# Allegro board 1155001-Timing_board_V3_20241024_1805_pcb.brd (continued)
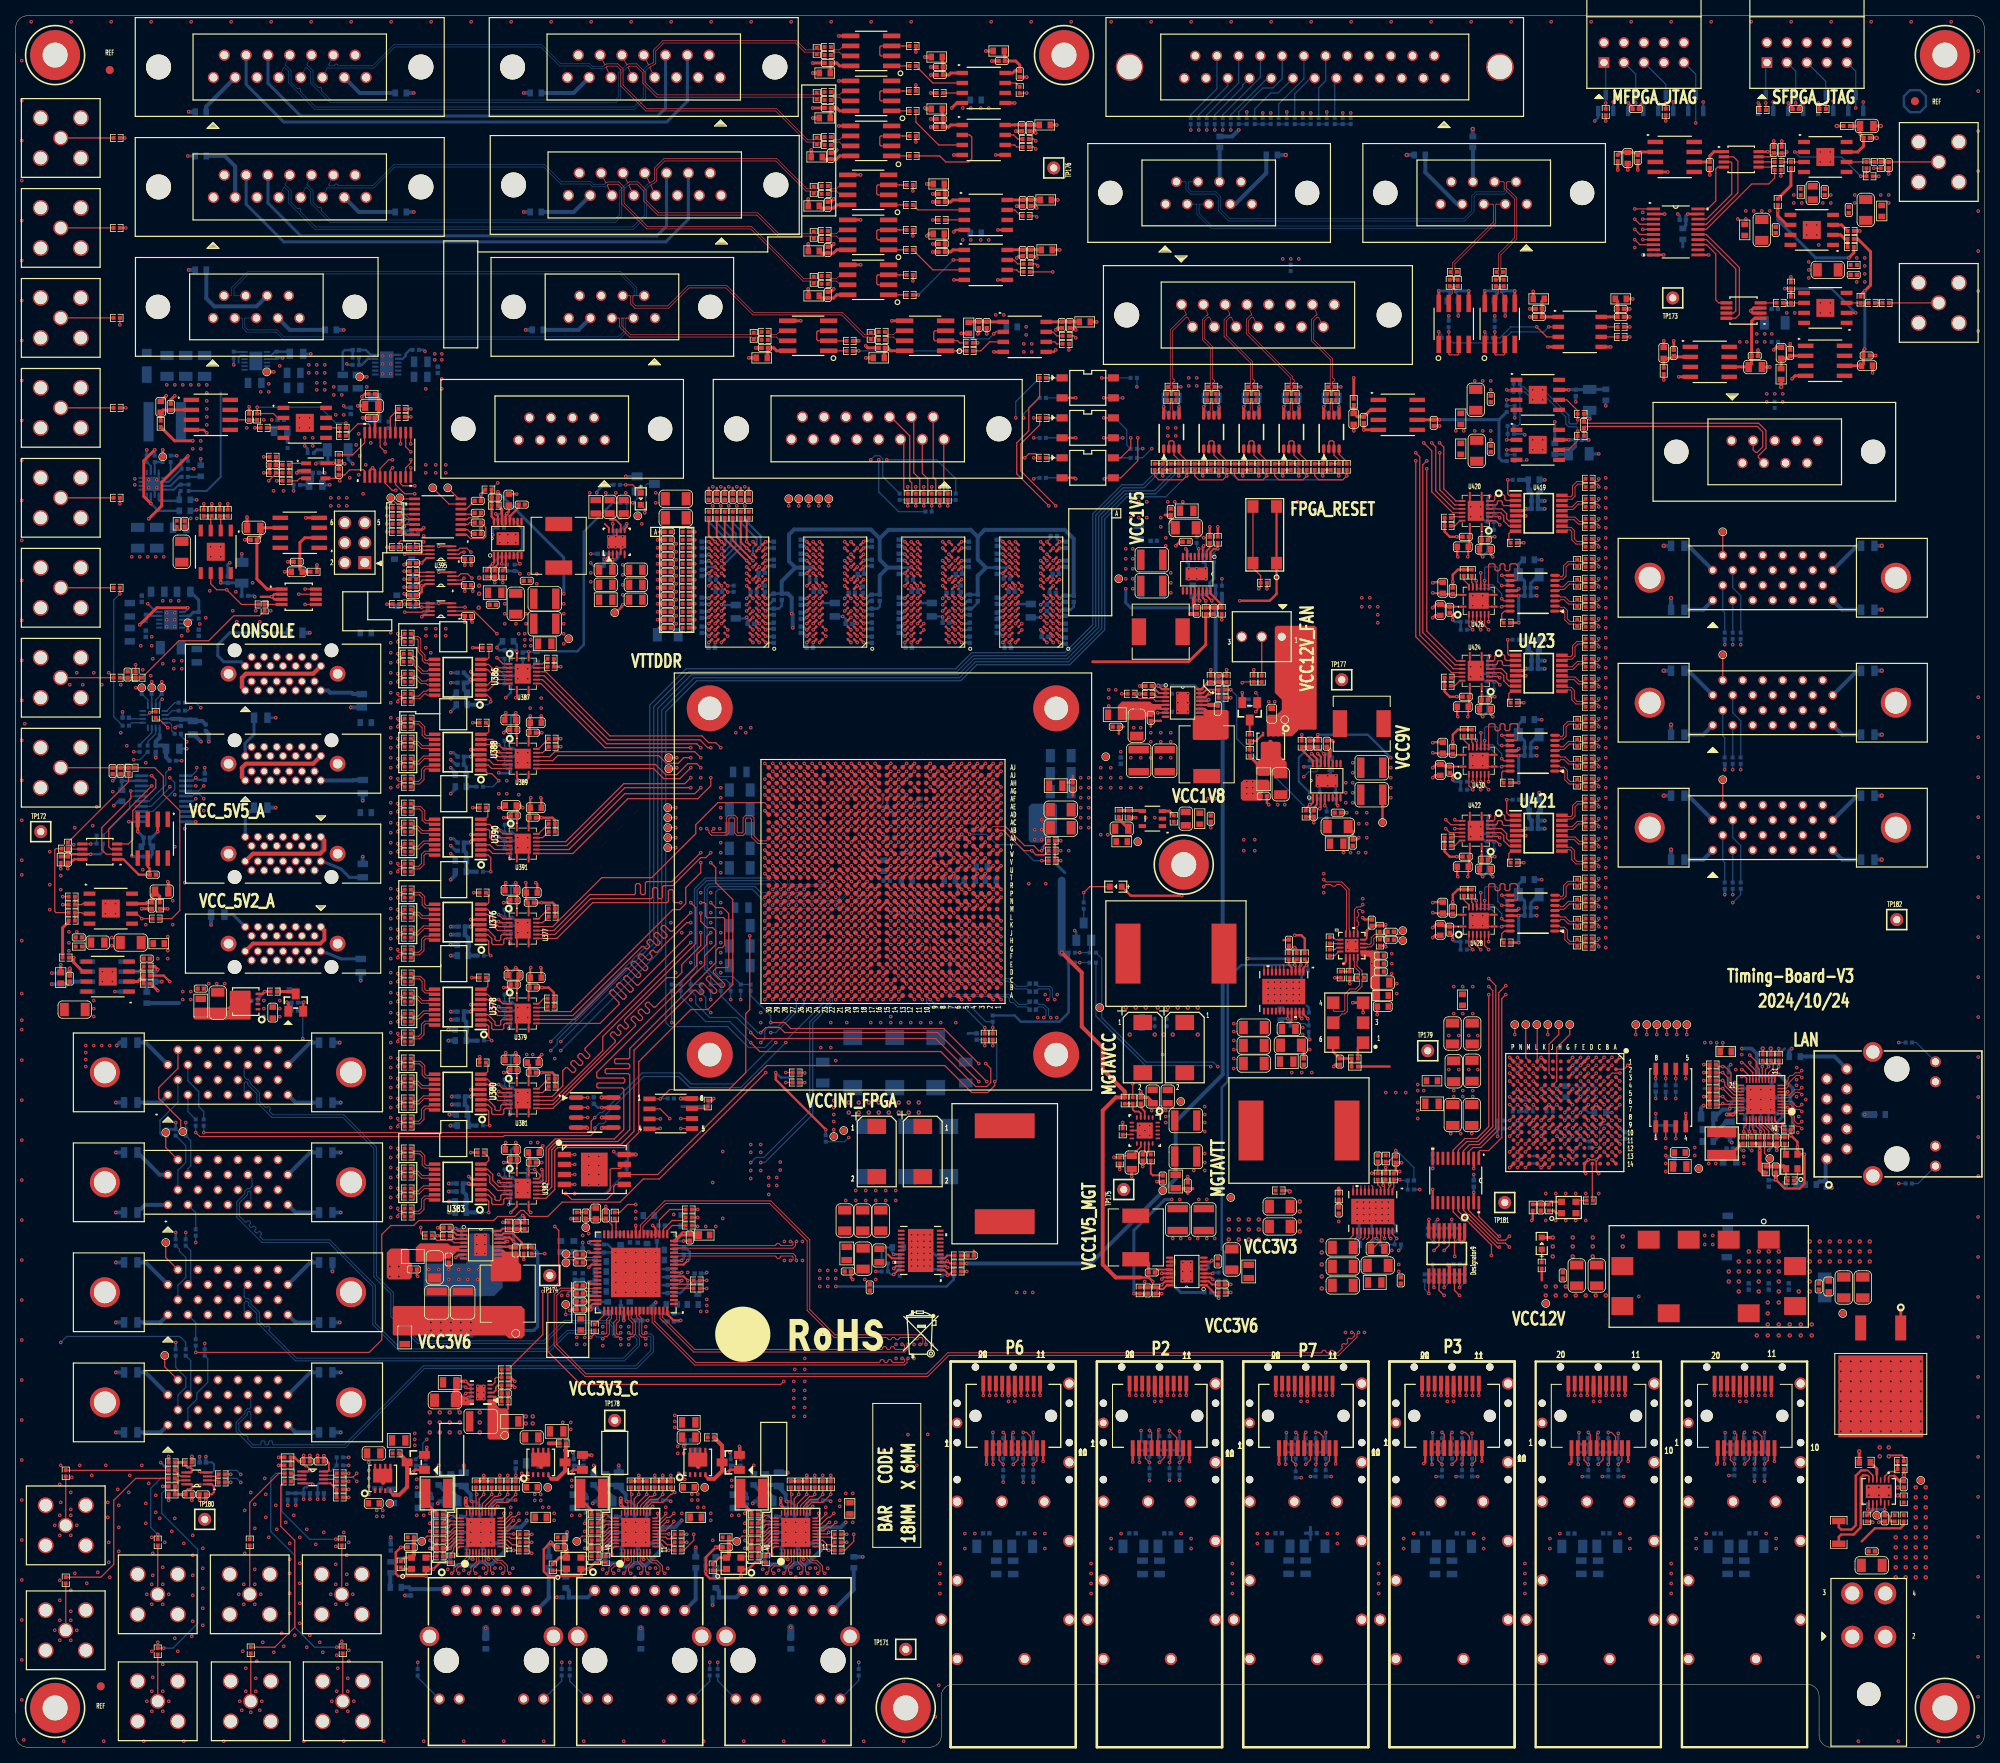
[diagram p0: board, top side]
## Design rules (mm) (continued)
net group FPGA_CONFIG_D3: nets FPGA_CONFIG_D3 FPGA_CONFIG_D3_R QSPI_MISO3
net group MG1: nets FPGA_1_ETH_TD_M_A FPGA_1_ETH_TD_M_B FPGA_1_ETH_TD_M_C FPGA_1_ETH_TD_M_D FPGA_1_ETH_TD_P_A FPGA_1_ETH_TD_P_B FPGA_1_ETH_TD_P_C FPGA_1_ETH_TD_P_D
net group MG_J74_U247: nets RF_FPS_TRIGGER_3_N RF_FPS_TRIGGER_3_P RF_MOD_IN_FIXED_3_N RF_MOD_IN_FIXED_3_P RF_MOD_IN_VARIABLE_3_N RF_MOD_IN_VARIABLE_3_P TIMING_SPI_CLK_3_N TIMING_SPI_CLK_3_P
net group MG_J77_U247: nets BPSI_DATA2_N BPSI_DATA2_P BPSI_DATA3_N BPSI_DATA3_P
net group MG_J80_U247: nets BPSR_DATA2_N BPSR_DATA2_P BPSR_DATA3_N BPSR_DATA3_P
net group MG_J81_U247: nets EDS_CC1_N EDS_CC1_P EDS_CC2_N EDS_CC2_P EDS_CC3_N EDS_CC3_P EDS_CC4_N EDS_CC4_P EDS_DATA0_N EDS_DATA0_P EDS_DATA1_N EDS_DATA1_P EDS_DATA2_N EDS_DATA2_P EDS_DATA3_N EDS_DATA3_P
net group N22239962: nets N22239962 N22240004 N22240010 N22240109
net group N23151152: nets N23151152 N23151216 N23151285
net group N23152362: nets N23152362 N23152374 N23152387
net group N23571460: nets N23571460 N23571522 N23571591
net group SAFETY_OUT1: nets N22761842 SAFETY_OUT1 SAFETY_OUT1+
net group SAFETY_OUT2: nets N22761847 SAFETY_OUT2 SAFETY_OUT2+
net group SAFETY_OUT3: nets N22761852 SAFETY_OUT3 SAFETY_OUT3+
net group TRIG_IO1: nets N22756428 N24995720 TRIG_IO1
net group TRIG_IO4: nets N22756100 N24999870 TRIG_IO4
net group VCC1V5_PG: nets N16718397 N20520738 N22225107 N22626918 N22804942 VCC1V5_PG
net group VCC1V8_PG: nets N16695258 N16716359 N22202663 VCC1V8_PG
net group VCCINT_FPGA_PG: nets N16728745 N22202247 VCCINT_FPGA_PG

## Placement (name value [footprint] x y rotation side)
C2  0.1UF  [C0402]  110.62 110.11 0 bottom
C13  0.1UF  [C0402]  82.79 144.27 180 bottom
C14  0.1UF  [C0402]  82.79 145.28 180 bottom
C15  0.1UF  [C0402]  82.79 146.3 180 bottom
C22  0.1UF  [C0402]  178.98 27.18 180 bottom
C23  0.1UF  [C0402]  183.42 27.18 0 bottom
C44  0.1UF  [C0402]  85.72 82.42 0 bottom
C72  0.1UF  [C0402]  146.27 27.18 0 bottom
C73  0.1UF  [C0402]  141.83 27.18 180 bottom
C78  22UF  [C1206]  146.4 25.53 0 bottom
C97  0.1UF  [C0402]  76.33 154.56 180 bottom
C99  22UF  [C1206]  141.95 25.53 180 bottom
C114  22UF  [C1206]  183.55 25.53 0 bottom
C115  22UF  [C1206]  179.1 25.53 180 bottom
C123  47UF  [C1206]  132.72 116.84 0 bottom
C140  0.1UF  [C0402]  183.01 61.34 180 bottom
C143  47UF  [C1206]  91.95 116.71 180 bottom
C144  4.7UF  [C0402_BGA]  120.14 96.5 0 bottom
C145  4.7UF  [C0402_BGA]  144.65 92.08 270 bottom
C146  4.7UF  [C0402_BGA]  123.14 102.5 180 bottom
C147  4.7UF  [C0402_BGA]  122.18 106.53 180 bottom
C148  4.7UF  [C0402_BGA]  118.64 112 90 bottom
C150  4.7UF  [C0402_BGA]  108.64 114 90 bottom
C151  4.7UF  [C0402_BGA]  107.14 108.5 180 bottom
C152  4.7UF  [C0402_BGA]  108.66 109.93 90 bottom
C153  4.7UF  [C0402_BGA]  111.64 106 270 bottom
C159  100UF  [C1206]  91.95 119.09 180 bottom
C160  100UF  [C1206]  132.72 123.7 0 bottom
C161  100UF  [C1206]  132.72 125.98 0 bottom
C162  100UF  [C1206]  132.72 121.41 0 bottom
C187  0.01UF  [C0402]  122.17 146.05 90 bottom
C217  68PF_DNP  [C0402]  122.05 90.3 90 bottom
C224  4.7UF  [C0805]  75.44 157.61 90 top
C250  10UF  [C0805]  116.33 144.53 270 bottom
C271  1000PF  [C0402]  74.3 151.64 180 bottom
C340  10UF  [C0805]  74.93 149.6 180 top
C341  10UF  [C0805]  74.93 147.7 180 top
C342  10UF  [C0805]  78.74 149.61 0 top
C343  10UF  [C0805]  78.74 145.8 0 top
C344  10UF  [C0805]  78.74 147.7 0 top
C399  47UF  [C1206]  132.72 119.13 0 bottom
C400  100UF  [C1206]  91.95 111.73 180 bottom
C401  100UF  [C1206]  91.95 121.63 180 bottom
C402  100UF  [C1206]  91.95 99.31 180 bottom
C418  47UF  [C1206]  132.72 116.84 0 top
C419  4.7UF  [C0402_BGA]  112.64 108 270 bottom
C420  4.7UF  [C0402_BGA]  114.64 112 270 bottom
C421  47UF  [C1206]  132.72 119.13 0 top
C422  4.7UF  [C0402_BGA]  112.58 112.02 270 bottom
C461  0.1UF  [C0402_BGA]  114.14 116.5 0 bottom
C462  0.1UF  [C0402_BGA]  120.14 118.49 0 bottom
C463  0.1UF  [C0402_BGA]  119.12 122.56 0 bottom
C490  0.1UF  [C0402_BGA]  108.63 121.94 90 bottom
C491  0.1UF  [C0402_BGA]  112.62 121.99 90 bottom
C492  0.1UF  [C0402_BGA]  111.15 119.5 180 bottom
C493  100UF  [C1206]  120.65 85.72 90 bottom
C494  100UF  [C1206]  102.49 85.72 90 bottom
C495  4.7UF  [C0402_BGA]  115.64 108 270 bottom
C496  4.7UF  [C0402_BGA]  114.64 108 270 bottom
C497  4.7UF  [C0402_BGA]  112.64 106 270 bottom
C498  4.7UF  [C0402_BGA]  108.64 112 90 bottom
C499  4.7UF  [C0402_BGA]  107.64 109.93 90 bottom
C500  4.7UF  [C0402_BGA]  107.19 107.49 180 bottom
C501  4.7UF  [C0402_BGA]  113.64 106 270 bottom
C502  4.7UF  [C0402_BGA]  107.64 114 90 bottom
C503  4.7UF  [C0402_BGA]  107.64 112 90 bottom
C504  4.7UF  [C0402_BGA]  114.64 106 270 bottom
C505  0.1UF  [C0402]  205.74 208.15 0 top
C506  4.7UF  [C0402]  112.14 149.48 270 bottom
C507  47nF  [C0402]  121.16 146.05 270 bottom
C508  0.1UF  [C0402_BGA]  106.64 122 270 bottom
C509  0.1UF  [C0402_BGA]  111.15 120.52 180 bottom
C510  0.1UF  [C0402_BGA]  123.64 124 270 bottom
C511  0.1UF  [C0402_BGA]  124.64 121 270 bottom
C512  0.1UF  [C0402_BGA]  118.64 119 270 bottom
C513  0.1UF  [C0402_BGA]  113.64 124 270 bottom
C514  0.1UF  [C0402_BGA]  109.6 119.97 270 bottom
C515  0.1UF  [C0402_BGA]  114.14 117.5 0 bottom
C516  0.1UF  [C0402_BGA]  116.63 122.93 90 bottom
C517  0.1UF  [C0402_BGA]  121.64 119.98 270 bottom
C518  0.1UF  [C0402_BGA]  116.59 114.99 270 bottom
C519  0.1UF  [C0402_BGA]  120.64 123 270 bottom
C520  0.01UF  [C0402]  120.02 147.19 90 bottom
C521  47UF  [C1206]  83.82 156.21 180 bottom
C522  4.7UF  [C0402]  82.79 148.33 180 bottom
C523  4.7UF  [C0402]  82.79 147.32 180 bottom
C524  0.1UF  [C0402]  82.79 152.4 180 top
C525  0.1UF  [C0402]  89.03 158.88 90 bottom
C526  0.1UF  [C0402]  90.04 158.88 90 bottom
C527  0.1UF  [C0402]  91.06 158.88 90 bottom
C528  47nF  [C0402]  118.62 146.69 180 bottom
C529  47nF  [C0402]  112.14 145.67 270 bottom
C530  47nF  [C0402]  121.16 140.72 90 bottom
C531  47nF  [C0402]  121.03 152.78 90 bottom
C532  47nF  [C0402]  112.14 153.03 90 bottom
C533  47nF  [C0402]  121.16 144.27 270 bottom
C534  47nF  [C0402]  112.14 143.76 90 bottom
C535  47nF  [C0402]  118.11 142.88 180 bottom
C536  47nF  [C0402]  121.16 142.49 90 bottom
C538  47nF  [C0402]  112.14 151.26 90 bottom
C539  47nF  [C0402]  121.03 150.37 270 bottom
C540  47nF  [C0402]  119.76 149.1 0 bottom
C541  47nF  [C0402]  112.14 141.99 270 bottom
C542  47nF  [C0402]  113.41 139.7 180 bottom
C543  47nF  [C0402]  114.17 146.81 180 bottom
C544  0.01UF  [C0402]  134.37 145.92 90 bottom
C545  0.01UF  [C0402]  133.35 145.92 270 bottom
C546  0.1UF  [C0402]  89.03 158.88 90 top
C547  0.1UF  [C0402]  90.04 158.88 90 top
C548  0.1UF  [C0402]  82.79 144.27 180 top
C549  47UF  [C1206]  83.82 158.62 180 top
C550  4.7UF  [C0402]  93.09 158.88 90 bottom
C551  4.7UF  [C0402]  93.09 158.88 90 top
C552  0.1UF  [C0402]  82.79 145.28 180 top
C553  0.1UF  [C0402]  82.79 146.3 180 top
C554  0.1UF  [C0402]  92.08 158.88 90 top
C555  0.1UF  [C0402]  82.79 147.32 180 top
C556  47nF  [C0402]  124.59 143.76 90 bottom
C557  47nF  [C0402]  130.94 144.78 270 bottom
C558  47nF  [C0402]  125.98 139.7 180 bottom
C559  47nF  [C0402]  126.49 146.81 180 bottom
C560  47nF  [C0402]  133.35 142.37 90 bottom
C561  47nF  [C0402]  133.35 144.15 270 bottom
C562  47nF  [C0402]  133.35 140.59 90 bottom
C563  4.7UF  [C0402]  124.59 149.48 270 bottom
C564  47nF  [C0402]  124.59 141.99 270 bottom
C565  47nF  [C0402]  132.08 149.1 0 bottom
C566  10UF  [C0805]  128.9 144.4 270 bottom
C567  47nF  [C0402]  124.59 153.03 90 bottom
C568  47nF  [C0402]  124.59 145.67 270 bottom
C569  47nF  [C0402]  124.59 151.26 90 bottom
C570  47nF  [C0402]  133.35 152.78 90 bottom
C571  47nF  [C0402]  130.68 141.1 180 bottom
C572  47nF  [C0402]  133.35 150.37 270 bottom
C573  47nF  [C0402]  131.7 146.69 180 bottom
C574  0.01UF  [C0402]  97.28 146.18 90 bottom
C575  0.01UF  [C0402]  87.12 149.22 270 bottom
C576  0.01UF  [C0402]  109.73 146.05 90 bottom
C577  0.01UF  [C0402]  107.57 147.07 90 bottom
C578  47nF  [C0402]  96.27 144.27 270 bottom
C579  47nF  [C0402]  93.34 142.75 180 bottom
C580  47nF  [C0402]  96.27 142.49 90 bottom
C581  47nF  [C0402]  89.28 146.81 180 bottom
C582  47nF  [C0402]  87.12 141.99 270 bottom
C583  47nF  [C0402]  87.12 143.89 90 bottom
C584  47nF  [C0402]  87.12 151 90 bottom
C585  4.7UF  [C0402]  95.12 147.19 90 bottom
C586  47nF  [C0402]  87.12 152.78 90 bottom
C587  47nF  [C0402]  88.39 139.7 180 bottom
C588  10UF  [C0805]  91.44 144.27 270 bottom
C589  47nF  [C0402]  96.27 150.5 270 bottom
C590  47nF  [C0402]  87.12 145.67 270 bottom
C591  47nF  [C0402]  96.27 152.78 90 bottom
C592  47nF  [C0402]  93.73 146.81 180 bottom
C593  47nF  [C0402]  94.74 149.22 0 bottom
C594  47nF  [C0402]  96.27 140.72 90 bottom
C595  47nF  [C0402]  96.27 146.18 270 bottom
C596  0.1UF  [C0402]  88.01 158.89 90 bottom
C597  0.1UF  [C0402]  91.06 158.88 90 top
C598  0.1UF  [C0402]  92.08 158.88 90 bottom
C599  47UF  [C1206]  82.8 141.35 180 bottom
C600  4.7UF  [C0402]  88.01 158.88 90 top
C601  4.7UF  [C0402]  82.79 142.24 180 top
C602  0.1UF  [C0402]  82.79 150.36 180 bottom
C603  0.1UF  [C0402]  82.79 143.25 180 top
C604  0.1UF  [C0402]  82.79 149.35 180 bottom
C605  0.1UF  [C0402]  82.79 154.43 180 top
C606  47nF  [C0402]  100.84 139.7 180 bottom
C607  47nF  [C0402]  108.71 142.49 90 bottom
C608  47nF  [C0402]  108.71 150.5 270 bottom
C609  47nF  [C0402]  99.69 151.26 90 bottom
C610  47nF  [C0402]  99.69 141.99 270 bottom
C611  47nF  [C0402]  108.71 144.27 270 bottom
C612  47nF  [C0402]  99.69 145.54 270 bottom
C613  4.7UF  [C0402]  108.71 146.05 270 bottom
C614  47nF  [C0402]  108.71 152.91 90 bottom
C615  47nF  [C0402]  99.69 143.76 90 bottom
C616  10UF  [C0805]  104.01 144.53 270 bottom
C617  47nF  [C0402]  105.79 142.75 180 bottom
C618  47nF  [C0402]  106.17 146.69 180 bottom
C619  47nF  [C0402]  99.69 153.03 90 bottom
C620  47nF  [C0402]  101.73 146.81 180 bottom
C621  47nF  [C0402]  107.31 149.1 0 bottom
C622  47nF  [C0402]  108.71 140.72 90 bottom
C623  47nF  [C0402]  99.69 149.48 270 bottom
C624  0.1UF  [C0402]  82.79 151.38 180 bottom
C625  0.1UF  [C0402]  82.79 152.4 180 bottom
C626  0.1UF  [C0402]  82.8 153.42 180 bottom
C627  47UF  [C1206]  83.82 156.21 180 top
C628  4.7UF  [C0402]  82.79 149.35 180 top
C629  4.7UF  [C0402]  82.79 148.33 180 top
C630  0.1UF  [C0402]  82.8 153.42 180 top
C631  0.1UF  [C0402]  82.78 143.27 180 bottom
C632  0.1UF  [C0402]  82.79 151.38 180 top
C633  0.1UF  [C0402]  82.79 150.37 180 top
C636  100UF  [C1206]  91.95 101.8 180 bottom
C638  100UF  [C1206]  91.95 104.39 180 bottom
C639  100UF  [C1206]  91.95 114.22 180 bottom
C640  4.7UF  [C0805]  77.21 157.61 90 top
C641  0.1UF  [C0402]  77.34 75.31 180 bottom
C642  0.01UF  [C0402]  73.41 82.17 270 bottom
C751  100UF  [C1206]  182.5 80.33 270 top
C753  4.7UF  [C0402_BGA]  198.22 83.64 90 bottom
C754  4.7UF  [C0402_BGA]  199.22 83.64 90 bottom
C757  0.47UF  [C0402_BGA]  200.22 83.64 90 bottom
C758  0.47UF  [C0402_BGA]  195.22 83.67 90 bottom
C759  0.47UF  [C0402_BGA]  194.22 83.64 90 bottom
C766  47UF  [C1206]  184.91 80.33 270 top
C767  4.7UF  [C0402_BGA]  200.22 78.64 90 bottom
C768  0.47UF  [C0402_BGA]  197.23 77.65 270 bottom
C770  47UF  [C1206]  184.97 90.68 270 top
C771  4.7UF  [C0402_BGA]  190.22 86.64 270 bottom
C773  0.47UF  [C0402_BGA]  198.22 86.64 270 bottom
C774  0.47UF  [C0402_BGA]  193.22 86.64 90 bottom
C777  47UF  [C1206]  182.62 85.89 90 top
C778  4.7UF  [C0402_BGA]  197.22 75.64 90 bottom
C779  4.7UF  [C0402_BGA]  194.22 74.65 270 bottom
C780  0.47UF  [C0402_BGA]  198.22 75.64 90 bottom
C781  0.47UF  [C0402_BGA]  191.23 78.65 270 bottom
C782  0.47UF  [C0402_BGA]  191.22 82.65 90 bottom
C783  0.47UF  [C0402_BGA]  191.26 74.67 90 bottom
C784  47UF  [C1206]  184.94 85.95 90 top
C785  4.7UF  [C0402_BGA]  192.23 74.65 270 bottom
C786  4.7UF  [C0402_BGA]  190.24 82.65 90 bottom
C787  0.47UF  [C0402_BGA]  193.25 74.65 270 bottom
C788  0.47UF  [C0402_BGA]  190.24 74.67 90 bottom
C789  0.47UF  [C0402_BGA]  190.25 78.67 270 bottom
C790  0.47UF  [C0402_BGA]  192.22 82.65 90 bottom
C791  47UF  [C1206]  182.47 90.68 270 top
C792  4.7UF  [C0402_BGA]  198.22 77.64 90 bottom
C793  4.7UF  [C0402_BGA]  196.22 77.65 90 bottom
C794  0.47UF  [C0402_BGA]  194.22 86.64 90 bottom
C795  0.47UF  [C0402_BGA]  194.22 77.65 90 bottom
C796  0.47UF  [C0402_BGA]  193.22 77.65 270 bottom
C797  0.47UF  [C0402_BGA]  191.22 86.64 270 bottom
C798  0.1UF  [C0402]  208.28 83.69 270 bottom
C799  0.1UF  [C0402]  226.06 208.15 0 top
C800  0.1UF  [C0402]  193.68 68.58 270 top
C815  0.1UF_DNP  [C0402_BGA]  199.22 81.64 90 bottom
C838  1000PF  [C0402]  229.87 71.5 90 bottom
C839  0.1UF  [C0402]  223.52 73.41 270 top
C841  10UF  [C0805]  217.17 88.39 180 bottom
C842  0.1UF  [C0402]  223.01 84.84 270 bottom
C846  10UF  [C0805]  214.88 80.14 180 bottom
C847  0.1UF  [C0402]  218.95 82.17 0 bottom
C849  0.1UF  [C0402]  218.95 81.15 0 bottom
C850  10UF  [C0805]  217.68 78.61 270 bottom
C851  0.1UF  [C0402]  224.66 77.98 270 bottom
C852  0.1UF  [C0402]  222.63 79.38 90 bottom
C853  0.1UF  [C0402]  224.03 82.55 180 bottom
C854  0.1UF  [C0402]  224.03 80.52 180 bottom
C855  0.1UF  [C0402]  218.95 83.69 0 bottom
C859  10UF  [C0805]  217.68 74.55 0 bottom
C864  0.1UF  [C0402]  217.68 76.07 0 bottom
C865  10PF  [C0402]  223.65 77.09 270 top
C866  0.1UF  [C0402]  222.63 71.63 90 bottom
C881  0.1UF  [C0402]  17.78 126.87 270 bottom
C882  10UF  [C0805]  19.94 126.87 0 bottom
C883  0.1UF  [C0402]  20.95 130.18 270 bottom
C884  10UF  [C0805]  22.48 129.54 270 bottom
C885  0.1UF  [C0402]  13.97 130.81 180 bottom
C930  0.1UF  [C0402]  168.15 87.12 90 top
C932  0.1UF  [C0402]  173.35 100.58 180 top
C933  10UF  [C0805]  173.61 97.16 0 top
C934  0.1UF  [C0402]  173.35 99.57 180 top
C935  0.1UF  [C0402]  173.35 98.55 180 top
C936  1UF  [C0603]  173.61 94.11 180 top
C938  0.1UF  [C0402]  172.21 104.78 270 top
C939  0.1UF  [C0402]  174.63 103.62 180 top
C940  0.1UF  [C0402]  174.63 102.6 180 top
C941  0.1UF  [C0402_BGA]  97.64 111 270 bottom
C942  0.1UF  [C0402_BGA]  98.64 111 270 bottom
C967  0.01UF  [C0402]  129.16 94.74 0 bottom
C968  0.01UF  [C0402]  129.16 93.73 0 bottom
C989  0.01UF  [C0402]  129.16 97.03 0 bottom
C990  0.01UF  [C0402]  129.16 96.01 0 bottom
C993  0.1UF  [C0402]  71.63 58.67 180 top
C994  0.1UF  [C0402]  71.63 57.66 180 top
C995  4.7UF  [C0402]  83.19 58.72 0 bottom
C996  4.7UF  [C0402]  83.19 57.71 0 bottom
C997  1UF  [C0603]  83.06 63.17 0 bottom
C999  4.7UF  [C0402]  83.19 59.74 0 bottom
C1000  0.1UF  [C0402]  84.84 62.99 270 bottom
C1001  1UF  [C0603]  74.29 57.91 0 bottom
C1002  1UF  [C0603]  74.29 59.18 0 bottom
C1003  2.2UF_DNP  [C0402]  72.39 67.56 270 top
C1004  1UF  [C0603]  73.66 67.82 90 top
C1005  4.7NF  [C0402]  74.93 67.56 270 top
C1006  100PF_DNP  [C0402]  70.99 57.02 90 bottom
C1007  160PF  [C0402]  71.63 56.64 0 top
C1008  4.7NF  [C0402]  72.01 57.02 270 bottom
C1009  0.1UF  [C0402]  83.19 60.76 0 bottom
C1010  1UF  [C0603]  83.06 61.9 180 bottom
C1011  1000PF  [C0402]  86.61 60.2 0 bottom
C1012  0.1UF  [C0402]  83.77 64.72 90 bottom
C1013  1UF  [C0603]  84.58 66.93 90 bottom
C1014  1000PF  [C0402]  85.6 64.77 270 top
C1015  0.1UF  [C0402]  81.43 64.69 90 bottom
C1016  1UF  [C0603]  80.16 64.69 270 bottom
C1017  1000PF  [C0402]  82.04 66.29 0 bottom
C1018  0.1UF  [C0402]  78 64.54 90 bottom
C1019  1UF  [C0603]  76.81 64.54 270 bottom
C1020  1000PF  [C0402]  78.99 64.52 270 bottom
C1021  0.1UF  [C0402]  72.01 62.99 270 bottom
C1022  1UF  [C0603]  74.29 61.72 0 bottom
C1023  1000PF  [C0402]  74.3 62.87 0 bottom
C1024  0.1UF  [C0402]  70.99 59.82 90 bottom
C1025  1UF  [C0603]  74.29 60.45 0 bottom
C1026  1000PF  [C0402]  72.01 59.82 270 bottom
C1027  0.1UF  [C0402]  73.79 56.26 270 bottom
C1028  1UF  [C0603]  75.18 55.88 90 bottom
C1029  1000PF  [C0402]  71.63 55.63 180 top
C1030  0.1UF  [C0402]  79.12 54.23 180 bottom
C1031  1UF  [C0603]  77.98 55.88 90 bottom
C1032  1000PF  [C0402]  76.83 55.63 90 bottom
C1033  0.1UF  [C0402]  83.19 55.12 0 bottom
C1034  1UF  [C0603]  83.31 56.26 180 bottom
C1035  1000PF  [C0402]  83.19 54.1 180 bottom
C1134  10UF  [C1206]  232.16 58.42 90 bottom
C1135  0.1UF  [C0402]  196.47 59.94 270 top
C1136  0.1UF  [C0402]  222.63 58.55 270 bottom
C1137  10UF  [C1206]  200.79 59.94 90 top
C1138  10UF  [C1206]  198.25 59.94 90 top
C1139  10UF  [C1206]  234.57 58.42 90 bottom
C1140  1000PF  [C0402]  220.09 58.55 90 bottom
C1142  10UF  [C1206]  234.57 58.42 90 top
C1144  1UF  [C0603]  230.25 58.55 90 top
C1145  0.1UF  [C0402]  225.17 58.55 270 bottom
C1146  0.1UF_DNP  [C0402]  237.36 29.08 90 top
C1147  10UF  [C1206]  235.71 23.11 0 top
C1148  0.1UF  [C0402]  235.71 24.89 180 top
C1149  10UF  [C1206]  232.16 58.42 90 top
C1150  10UF  [C1206]  229.74 58.42 90 bottom
C1151  47nF  [C0402]  239.78 33.4 270 top
C1152  0.1UF  [C0402]  228.98 58.55 270 top
C1153  22UF  [C1206]  109.86 66.93 90 top
C1154  22UF  [C1206]  107.57 66.93 90 top
C1155  22UF  [C1206]  105.28 66.93 90 top
C1156  22UF  [C1206]  107.62 62.08 270 top
C1157  4.7UF  [C0805]  109.68 62.48 270 top
C1158  1UF  [C0603]  112.01 63.5 0 bottom
C1159  0.1UF  [C0402]  121.28 62.48 180 top
C1162  22UF  [C1206]  167.89 116.97 0 top
C1163  0.1UF  [C0402]  167.89 118.75 180 top
C1164  1UF  [C0603]  167 124.97 270 bottom
C1165  0.01UF  [C0402]  164.85 118.62 270 top
C1166  0.1UF  [C0402]  166.5 127.51 270 top
C1167  10PF  [C0402]  164.34 127.51 90 top
C1168  47UF  [C1210]  172.21 121.03 180 bottom
C1169  47UF  [C1210]  172.21 121.03 180 top
C1170  47UF  [C1210]  172.21 124.46 180 bottom
C1171  47UF  [C1210]  172.21 124.46 180 top
C1172  47UF  [C1210]  145.92 125.36 90 top
C1173  47UF  [C1210]  145.93 125.35 90 bottom
C1174  47UF  [C1210]  142.62 125.35 90 bottom
C1175  1UF  [C0603]  150.37 132.45 270 bottom
C1176  0.01UF  [C0402]  143.88 134.84 180 top
C1177  0.1UF  [C0402]  144.15 130.81 90 top
C1178  22UF  [C1206]  142.37 129.79 270 top
C1179  0.1UF  [C0402]  152.65 131.95 90 top
C1180  4.7PF  [C0402]  152.77 135.73 90 top
C1181  0.1UF  [C0402]  169.8 114.94 270 top
C1182  0.1UF  [C0402]  105.66 60.45 180 top
C1183  0.1UF  [C0402]  139.7 129.67 180 top
C1184  0.1UF  [C0402]  140.34 125.35 90 bottom
C1185  0.1UF  [C0402]  134.24 122.17 270 top
C1186  0.1UF  [C0402]  144.53 153.29 0 bottom
C1187  0.1UF  [C0402]  146.69 156.97 90 top
C1188  0.1UF  [C0402]  148.59 153.16 0 top
C1189  1UF  [C0603]  149.48 146.94 90 bottom
C1190  0.01UF  [C0402]  151.64 153.42 90 top
C1191  0.1UF  [C0402]  149.99 144.4 90 top
C1192  4.7PF  [C0402]  152.15 144.4 270 top
C1193  47UF  [C1210]  144.28 150.88 0 top
C1194  47UF  [C1210]  144.28 147.57 0 top
C1195  47UF  [C1210]  144.27 150.88 0 bottom
C1196  47UF  [C1210]  144.27 147.45 0 bottom
C1197  22UF  [C1206]  148.59 154.94 180 top
C1198  0.1UF  [C0402]  172.97 74.8 270 top
C1201  0.1UF  [C0402]  175.9 59.31 270 top
C1202  22UF  [C1206]  172.97 61.21 0 top
C1203  22UF  [C1206]  168.53 58.67 180 top
C1204  22UF  [C1206]  168.53 63.5 180 top
C1205  22UF  [C1206]  168.53 61.09 180 top
C1206  4.7UF  [C0805]  172.97 63.32 0 top
C1207  1UF  [C0603]  171.32 63.88 180 bottom
C1208  0.1UF  [C0402]  161.69 102.23 270 top
C1211  0.1UF  [C0402]  163.58 87.12 270 top
C1212  22UF  [C1206]  157.23 89.15 180 top
C1213  22UF  [C1206]  161.95 89.2 0 top
C1214  22UF  [C1206]  157.23 86.87 180 top
C1215  22UF  [C1206]  157.23 91.44 180 top
C1216  4.7UF  [C0805]  161.67 91.26 0 top
C1217  1UF  [C0603]  160.66 93.09 90 bottom
C1218  0.1UF  [C0402]  108.46 58.42 270 top
C1219  0.1UF  [C0402]  152.65 61.72 270 top
C1220  1UF  [C0603]  146.94 60.96 90 bottom
C1221  0.01UF  [C0402]  153.16 58.8 0 top
C1222  0.1UF  [C0402]  144.27 60.33 0 top
C1223  4.7PF  [C0402]  143.76 58.04 270 top
C1224  47UF  [C1210]  147.57 67.05 270 bottom
C1225  47UF  [C1210]  150.87 67.05 270 bottom
C1226  47UF  [C1210]  150.88 67.05 270 top
C1227  47UF  [C1210]  147.58 67.05 270 top
C1228  22UF  [C1206]  154.43 61.98 90 top
C1229  0.1UF  [C0402]  143.13 74.93 90 top
C1230  0.1UF  [C0402]  148.84 71.37 270 top
C1231  0.1UF  [C0402]  145.67 72.26 90 top
C1232  47UF  [C1210]  148.6 75.06 0 top
C1233  47UF  [C1210]  148.6 79.63 0 top
C1234  10UF  [C0805]  144.4 82.68 90 top
C1235  0.1UF  [C0402]  142.88 82.17 90 top
C1237  10UF  [C0805]  146.3 82.68 90 top
C1238  10UF  [C0805]  141.73 74.3 270 top
C1264  1UF  [C0603]  211.33 75.56 180 top
C1265  0.1UF  [C0402]  210.69 74.42 270 bottom
C1267  47UF  [C1210]  53.46 56.52 90 top
C1268  47UF  [C1210]  56.77 56.52 90 bottom
C1269  47UF  [C1210]  56.77 56.52 90 top
C1270  47UF  [C1210]  53.47 56.52 90 bottom
C1271  1UF  [C0603]  61.34 64.14 270 bottom
C1272  0.01UF  [C0402]  54.72 66.01 180 top
C1273  0.1UF  [C0402]  54.99 61.98 90 top
C1274  22UF  [C1206]  53.21 60.96 270 top
C1275  0.1UF  [C0402]  63.5 63.12 90 top
C1276  4.7PF  [C0402]  63.61 66.26 90 top
C1338  0.1UF  [C0402]  53.59 175.01 90 bottom
C1339  10UF  [C0805]  51.44 174.11 0 bottom
C1340  0.01UF  [C0402]  43.18 177.52 0 bottom
C1341  10UF  [C0805]  43.43 173.51 270 bottom
C1347  1UF  [C0603]  159.51 131.32 90 top
C1348  0.1UF  [C0402]  158.5 120.83 180 top
C1349  10UF  [C1206]  160.66 122.35 270 top
C2109  10UF  [C0805]  30.35 173.35 0 bottom
C2110  4.7UF  [C0805]  35.65 177.04 0 bottom
C2111  10UF  [C0805]  35.31 174.62 0 bottom
C2251  0.1UF  [C0402]  58.67 155.6 180 top
C2252  0.1UF  [C0402]  58.67 156.84 0 top
C2253  0.1UF  [C0402]  58.67 154.18 0 top
C2254  0.1UF  [C0402]  58.67 158.37 0 top
C2255  0.1UF  [C0402]  50.67 154.56 0 bottom
C2256  0.1UF  [C0402]  140.21 74.55 90 bottom
C2257  1UF  [C0603]  143 92.08 270 bottom
C2258  1UF  [C0603]  121.16 110.11 0 bottom
C2259  0.47UF  [C0402_BGA]  120.14 103.51 0 bottom
C2260  0.47UF  [C0402_BGA]  147.96 92.08 270 bottom
C2261  0.47UF  [C0402_BGA]  120.14 99.5 0 bottom
C2262  0.47UF  [C0402_BGA]  146.18 92.08 270 bottom
C2263  47nF  [C0402_BGA]  120.14 100.5 0 bottom
C2264  47nF  [C0402_BGA]  120.14 108.5 0 bottom
C2265  47nF  [C0402_BGA]  120.14 98.5 0 bottom
C2266  47nF  [C0402_BGA]  120.14 107.5 0 bottom
C2267  1UF  [C0603]  118.62 110.11 180 bottom
C2268  0.47UF  [C0402_BGA]  119.64 112 90 bottom
C2269  47nF  [C0402_BGA]  118.67 113.99 90 bottom
C2270  1UF  [C0603]  122.68 111.89 180 bottom
C2271  1UF  [C0603]  123.82 110.11 0 bottom
C2272  0.47UF  [C0402_BGA]  120.64 114 90 bottom
C2273  0.47UF  [C0402_BGA]  120.14 102.5 180 bottom
C2274  0.47UF  [C0402_BGA]  123.14 104.5 180 bottom
C2275  0.47UF  [C0402_BGA]  120.14 104.52 180 bottom
C2276  47nF  [C0402_BGA]  119.64 114 90 bottom
C2277  47nF  [C0402_BGA]  122.17 100.5 180 bottom
C2278  47nF  [C0402_BGA]  123.14 108.5 180 bottom
C2279  47nF  [C0402_BGA]  120.14 106.5 180 bottom
C2394  0.1UF  [C0402]  71.63 62.61 180 top
C2395  0.1UF  [C0402]  71.63 61.59 180 top
C2404  0.1UF  [C0402]  127.7 27.18 0 bottom
C2405  0.1UF  [C0402]  123.25 27.18 180 bottom
C2406  22UF  [C1206]  127.82 25.53 0 bottom
C2407  22UF  [C1206]  123.38 25.53 180 bottom
C2408  0.1UF  [C0402]  164.83 27.2 0 bottom
C2409  0.1UF  [C0402]  160.39 27.2 180 bottom
C2410  22UF  [C1206]  164.96 25.55 0 bottom
C2411  22UF  [C1206]  160.51 25.55 180 bottom
C2420  0.1UF  [C0402]  45.21 168.91 180 top
C2421  10UF  [C0805]  45.21 170.43 180 top
C2422  4.7PF  [C0402]  41.02 162.05 90 top
C2423  0.1UF  [C0402]  19.68 170.31 270 top
C2424  1UF  [C0603]  18.41 170.31 90 top
C2425  0.1UF  [C0402]  29.64 169.06 270 top
C2426  0.1UF  [C0402]  39.24 163.19 180 bottom
C2428  0.1UF  [C0402]  38.1 161.93 0 bottom
C2429  10UF  [C0805]  38.1 160.4 0 bottom
C2430  0.1UF  [C0402]  42.55 169.8 270 bottom
C2432  0.1UF  [C0402]  33.66 168.66 0 bottom
C2433  10UF  [C0805]  33.66 167.26 180 bottom
C2434  47UF  [C1210]  142.62 125.36 90 top
C2435  0.1UF  [C0402]  50.55 60.71 180 top
C2527  0.1UF  [C0402]  60.58 145.16 180 top
C2528  0.1UF  [C0402]  64.9 148.21 180 top
C2529  1UF  [C0603]  62.61 158.52 90 top
C2530  0.01UF  [C0402]  60.83 149.12 270 top
C2531  0.1UF  [C0402]  64.26 157.89 180 top
C2532  4.7PF  [C0402]  60.83 158.78 0 top
C2533  47UF  [C1210]  67.18 145.92 180 bottom
C2534  47UF  [C1210]  67.18 142.75 180 top
C2535  47UF  [C1210]  67.18 142.75 180 bottom
C2536  47UF  [C1210]  67.18 145.92 180 top
C2537  22UF  [C1206]  63.5 145.29 270 top
C2557  0.1UF  [C0402]  17.27 106.93 90 top
C2558  10UF  [C0805]  18.54 108.71 0 top
C2579  22UF  [C1206]  54.51 44.09 180 top
C2580  0.1UF  [C0402]  56.26 44.07 90 bottom
C2581  47UF  [C1210]  59.05 41.4 180 top
C2582  0.01UF  [C0402]  62.1 44.96 0 top
C2583  0.1UF  [C0402]  16.64 115.57 0 bottom
C2584  1UF  [C0603]  16.64 114.43 180 bottom
C2585  0.1UF  [C0402]  17.4 110.87 180 top
C2586  0.1UF  [C0402]  6.6 112.78 90 top
C2591  4.7UF  [C0805]  21.34 146.81 180 bottom
C2593  0.1UF  [C0402]  16.51 141.48 90 bottom
C2594  0.1UF  [C0402]  16 145.92 90 bottom
C2595  0.1UF  [C0402]  35.69 150.62 0 top
C2596  1UF  [C0603]  35.69 149.35 180 top
C2597  0.1UF  [C0402]  30.23 153.42 0 top
C2598  10UF  [C0805]  30.23 154.94 180 top
C2599  0.1UF  [C0402]  24 123.32 90 bottom
C2600  0.1UF  [C0402]  13.46 123.19 90 bottom
C2601  0.1UF  [C0402]  81.28 25.91 180 bottom
C2602  0.1UF  [C0402]  74.42 24.26 180 bottom
C2603  10UF  [C0805]  86.36 29.21 0 bottom
C2604  10UF  [C0805]  75.06 31.24 180 bottom
C2605  0.1UF  [C0402]  77.6 29.97 270 bottom
C2606  10UF  [C0805]  76.58 34.04 90 bottom
C2607  0.1UF  [C0402]  78.61 29.97 270 bottom
C2608  0.1UF  [C0402]  75.82 26.29 0 bottom
C2609  0.1UF  [C0402]  78.99 24.89 90 bottom
C2610  0.1UF  [C0402]  76.96 24.89 90 bottom
C2611  0.1UF  [C0402]  72.52 31.24 270 bottom
C2612  10UF  [C0805]  70.99 31.24 270 bottom
C2613  0.1UF  [C0402]  80.14 29.97 270 bottom
C2614  0.1UF  [C0402]  69.22 25.4 180 top
C2615  10PF  [C0402]  73.53 25.27 180 top
C2616  10UF  [C0805]  105.92 30.35 90 bottom
C2617  0.1UF  [C0402]  94.74 24.26 180 bottom
C2618  0.1UF  [C0402]  101.6 25.91 180 bottom
C2619  10UF  [C0805]  95.38 31.24 180 bottom
C2620  0.1UF  [C0402]  97.92 29.97 270 bottom
C2621  10UF  [C0805]  96.9 34.04 90 bottom
C2622  0.1UF  [C0402]  98.93 29.97 270 bottom
C2623  0.1UF  [C0402]  99.31 24.89 90 bottom
C2624  0.1UF  [C0402]  97.28 24.89 90 bottom
C2625  0.1UF  [C0402]  96.14 26.29 0 bottom
C2626  0.1UF  [C0402]  92.84 31.24 270 bottom
C2627  10UF  [C0805]  91.31 31.24 270 bottom
C2628  0.1UF  [C0402]  100.46 29.97 270 bottom
C2629  0.1UF  [C0402]  90.17 25.4 180 top
C2630  10PF  [C0402]  93.85 25.27 180 top
C2631  1000PF  [C0402]  177.16 72.01 0 bottom
C2632  0.1UF  [C0402]  175.26 74.68 270 top
C2633  100UF  [C1206]  160.53 68.71 0 bottom
C2634  100UF  [C1206]  160.53 66.17 0 bottom
C2635  100UF  [C1206]  160.53 66.17 0 top
C2636  100UF  [C1206]  160.53 68.71 0 top
C2637  1000PF_DNP  [C0402]  168.02 68.2 270 top
C2638  0.1UF  [C0402]  151.76 117.98 90 top
C2639  10UF  [C0805]  148.59 117.98 90 top
C2640  10UF  [C0805]  140.46 116.71 180 top
C2641  0.1UF  [C0402]  63.5 35.81 90 bottom
C2642  10UF  [C0805]  65.53 39.37 180 top
C2643  1UF  [C0603]  65.53 33.02 180 top
C2644  0.1UF  [C0402]  85.34 38.99 0 bottom
C2645  10UF  [C0805]  85.47 39.37 180 top
C2646  1UF  [C0603]  85.47 33.02 180 top
C2647  10UF  [C1206]  40.89 164.85 0 bottom
C2648  10UF  [C1206]  45.59 170.18 90 bottom
C2769  1000PF  [C0402]  88.9 19.05 0 bottom
C2770  1000PF  [C0402]  69.85 19.05 0 bottom
C2771  0.1UF  [C0402]  69.85 26.04 90 bottom
C2772  0.1UF  [C0402]  87.63 23.5 270 bottom
C2795  0.1UF  [C0402]  21.97 36.2 0 bottom
C2796  0.1UF  [C0402]  23.75 36.2 180 bottom
C2797  0.1UF  [C0402]  38.73 32.26 0 bottom
C2798  0.1UF  [C0402]  36.96 32.26 0 bottom
C2799  0.1UF  [C0402]  21.97 32.13 0 top
C2800  0.1UF  [C0402]  23.75 32.13 180 top
C2801  0.1UF  [C0402]  38.73 36.32 180 top
C2802  0.1UF  [C0402]  36.96 36.32 0 top
C2851  10UF  [C0805]  66.67 29.21 0 bottom
C2852  0.1UF  [C0402]  61.59 25.91 180 bottom
C2853  0.1UF  [C0402]  54.74 24.26 180 bottom
C2854  10UF  [C0805]  55.37 31.24 180 bottom
C2855  0.1UF  [C0402]  57.91 29.97 270 bottom
C2856  10UF  [C0805]  56.9 34.04 90 bottom
C2857  0.1UF  [C0402]  58.93 29.97 270 bottom
C2858  0.1UF  [C0402]  57.28 24.89 90 bottom
C2859  0.1UF  [C0402]  59.31 24.89 90 bottom
C2860  0.1UF  [C0402]  56.13 26.29 0 bottom
C2861  0.1UF  [C0402]  52.83 31.24 270 bottom
C2862  10UF  [C0805]  51.31 31.24 270 bottom
C2863  0.1UF  [C0402]  60.45 29.97 270 bottom
C2864  0.1UF  [C0402]  50.16 25.4 180 top
C2865  10PF  [C0402]  53.85 25.27 180 top
C2867  0.1UF  [C0402]  45.97 32.89 0 bottom
C2868  10UF  [C0805]  45.47 37.34 180 top
C2869  1UF  [C0603]  45.47 30.99 180 top
C2870  1000PF  [C0402]  50.16 19.68 90 bottom
C2871  0.1UF  [C0402]  47.62 25.4 90 bottom
C2873  0.1UF  [C0402]  65.41 107.31 180 top
C2874  1UF  [C0603]  65.53 108.58 180 top
C2875  0.1UF  [C0402]  63.22 107.62 0 top
C2876  1UF  [C0603]  62.84 108.89 0 top
C2877  1UF  [C0603]  66.04 97.79 180 top
C2878  0.1UF  [C0402]  65.66 96.52 180 top
C2879  0.1UF  [C0402]  63.25 96.9 0 top
C2880  1UF  [C0603]  63.22 98.09 0 top
C2881  1UF  [C0603]  56.64 80.39 180 bottom
C2882  1000PF  [C0402]  56.64 82.68 180 bottom
C2883  1UF  [C0603]  65.66 87 180 top
C2884  1UF  [C0603]  62.84 87.33 0 top
C2885  1UF  [C0603]  56.77 101.98 180 bottom
C2886  0.1UF  [C0402]  56.64 81.66 0 bottom
C2887  0.1UF  [C0402]  65.66 85.72 180 top
C2888  0.1UF  [C0402]  63.22 86.06 0 top
C2889  0.1UF  [C0402]  56.64 103.25 0 bottom
C2890  1000PF  [C0402]  56.64 104.27 180 bottom
C2891  1UF  [C0603]  56.52 91.19 180 bottom
C2892  0.1UF  [C0402]  56.52 92.46 0 bottom
C2893  1000PF  [C0402]  56.52 93.47 180 bottom
C2894  1UF  [C0603]  65.79 75.56 180 top
C2895  0.1UF  [C0402]  65.66 74.3 180 top
C2896  0.1UF  [C0402]  63.25 74.68 0 top
C2897  1UF  [C0603]  62.86 75.95 0 top
C2904  1UF  [C0603]  56.52 69.34 180 bottom
C2906  0.1UF  [C0402]  56.39 70.61 0 bottom
C2907  1000PF  [C0402]  56.39 71.63 180 bottom
C2908  0.1UF  [C0402]  62.51 139.37 0 bottom
C2909  1UF  [C0603]  66.17 138.56 90 bottom
C2910  0.1UF  [C0402]  64.39 138.68 90 bottom
C2911  1UF  [C0603]  62.51 140.51 0 bottom
C2912  1UF  [C0603]  66.04 130.18 180 top
C2913  0.1UF  [C0402]  65.66 128.91 180 top
C2914  0.1UF  [C0402]  63.2 129.26 0 top
C2915  1UF  [C0603]  62.81 130.53 0 top
C2916  1UF  [C0603]  56.52 112.65 180 bottom
C2917  0.1UF  [C0402]  56.52 113.92 0 bottom
C2918  1000PF  [C0402]  56.52 114.94 180 bottom
C2919  1UF  [C0603]  66.04 119.38 180 top
C2920  0.1UF  [C0402]  65.66 118.11 180 top
C2921  0.1UF  [C0402]  63.25 118.39 0 top
C2922  1UF  [C0603]  62.86 119.66 0 top
C2923  1UF  [C0603]  56.64 133.99 180 bottom
C2924  0.1UF  [C0402]  56.52 135.25 0 bottom
C2925  1000PF  [C0402]  56.52 136.53 180 bottom
C2926  1UF  [C0603]  56.52 123.57 180 bottom
C2927  0.1UF  [C0402]  56.52 124.84 0 bottom
C2928  1000PF  [C0402]  56.52 125.86 180 bottom
C2929  0.1UF  [C0402]  14.2 136.29 270 top
C2930  10UF  [C1206]  15.49 153.67 270 bottom
C2931  10UF  [C1206]  17.91 153.67 270 bottom
C2936  10UF  [C1206]  23.98 175.51 270 bottom
C2937  10UF  [C1206]  21.59 175.51 270 bottom
C2938  10UF  [C1206]  19.2 175.51 270 bottom
C2944  0.1UF_DNP  [C0402]  32.64 162.94 180 top
C2945  0.1UF  [C0402]  57.43 150.95 0 top
C2946  0.1UF  [C0402]  50.44 150.44 180 top
C2947  0.1UF  [C0402]  57.43 147.65 0 top
C2948  0.1UF  [C0402]  50.44 146.38 180 top
C2949  0.1UF  [C0402]  57.43 143.71 0 top
C2950  0.1UF  [C0402]  52.32 144.91 90 bottom
C2969  0.1UF  [C0402]  95.12 177.8 0 top
C2970  0.1UF  [C0402]  122.3 180.72 90 top
C2971  0.01UF  [C0402]  123.32 180.72 270 top
C2972  0.1UF  [C0402]  133.86 180.72 90 top
C2973  0.01UF  [C0402]  132.84 180.72 270 top
C2974  0.1UF  [C0402]  109.98 177.8 0 top
C2975  0.1UF  [C0402]  103.5 202.18 270 top
C2976  0.1UF  [C0402]  103.12 208.28 0 top
C2977  0.1UF  [C0402]  103.12 214 0 top
C2978  0.1UF  [C0402]  117.35 206.88 0 top
C2979  0.01UF  [C0402]  117.35 205.87 180 top
C2980  0.1UF  [C0402]  128.78 205.74 90 top
C2981  0.01UF  [C0402]  127.76 205.74 270 top
C2982  0.1UF  [C0402]  117.35 213.49 0 top
C2983  0.01UF  [C0402]  117.35 212.47 180 top
